# KiCad board SHEGO75-V3.kicad_pcb (continued)
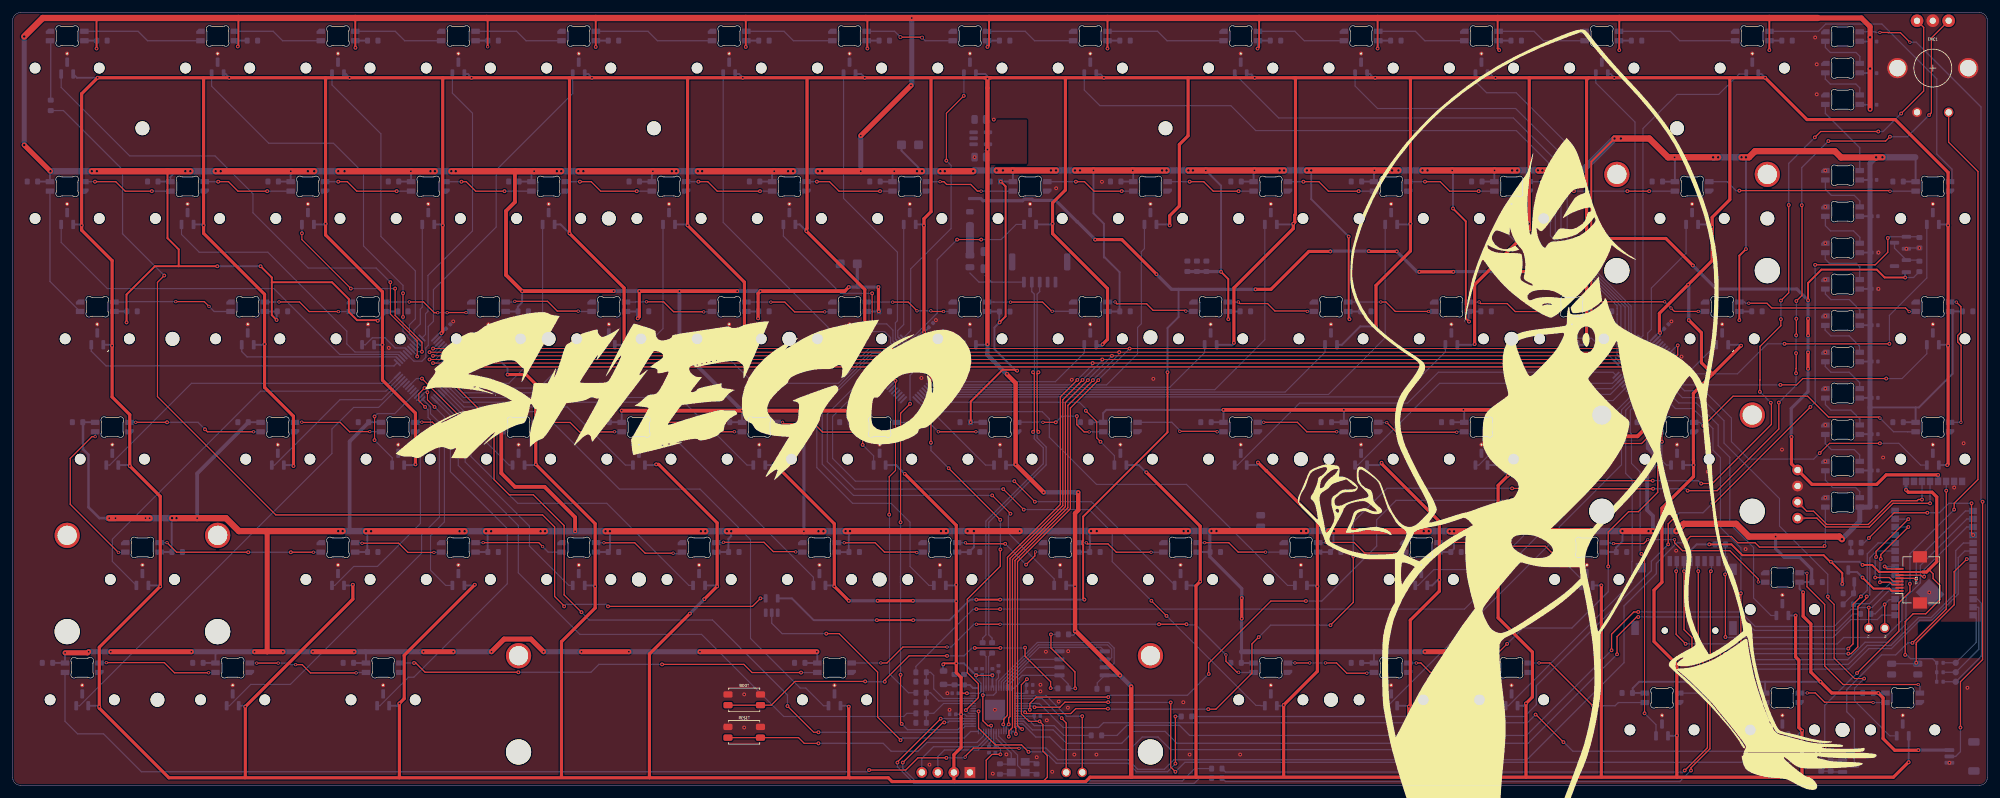
[diagram p0: board, top side]
## Routing (per net, layer and track width the routed paths; a pad name or vN(x,y) marks a point on that pad's centre or on a via; arc(x,y) is an arc through that point) (continued)
Net-(AMB4-DOUT): length 8.2
  Bottom w0.2: 292.33,62.8 292.33,63.75 290.67,65.41 287.78,65.41 286.88,66.31 286.88,67.06
Net-(AMB5-DOUT): length 8.2
  Bottom w0.2: 286.86,72.83 286.86,72.08 287.78,71.16 290.67,71.16 292.31,69.52 292.31,68.58
Net-(AMB6-DOUT): length 8.2
  Bottom w0.2: 286.91,78.56 286.91,77.78 287.78,76.91 290.7,76.91 292.36,75.25 292.36,74.3
Net-(AMB7-DOUT): length 9
  Bottom w0.2: 286.88,84.38 286.88,83.31 287.53,82.66 291.78,82.66 292.33,82.11 292.33,80.13
Net-(AMB8-DOUT): length 8.6
  Bottom w0.2: 286.91,90.08 286.91,88.6 287.72,87.78 291.34,87.78 292.36,86.77 292.36,85.83
Net-(AMB10-DIN): length 8.6
  Bottom w0.2: 292.36,91.58 292.36,92.52 291.47,93.41 287.85,93.41 286.91,94.35 286.91,95.83
Net-(D1-A): length 1.5
  Bottom w0.2: R16.2 290.93,36.94
Net-(GLO1-DOUT): length 8.1
  Bottom w0.2: GLO2.3 286.89,111.82 287.68,111.03 291.73,111.03 292.34,110.42 GLO1.2
Net-(GLO2-DOUT): length 8.1
  Bottom w0.2: 292.36,114.3 292.36,115.41 291.74,116.02 287.69,116.02 286.91,116.81 286.91,117.8
Net-(LED1-DOUT): length 19
  Bottom w0.2: LED1.2 19.85,119.39 21.35,117.89 LED2.3
Net-(LED2-DOUT): length 14.2
  Bottom w0.2: LED3.3 42.73,117.89 41.23,119.39 LED2.2
Net-(LED3-DOUT): length 14.2
  Bottom w0.2: LED4.3 62.05,117.89 60.55,119.39 LED3.2
Net-(LED4-DOUT): length 14.2
  Bottom w0.2: LED4.2 79.75,119.39 81.25,117.89 LED5.3
Net-(LED5-DOUT): length 19
  Bottom w0.2: LED5.2 100.55,119.39 102.05,117.89 LED6.3
Net-(LED6-DOUT): length 14.2
  Bottom w0.2: LED7.3 123.58,117.89 122.08,119.39 LED6.2
Net-(LED7-DOUT): length 14.2
  Top w0.2: v2(143.93,118.38) 143.86,118.46 v2(140.51,118.46)
  Bottom w0.2: LED7.2 139.58,119.39 v2(140.51,118.46) ; v2(143.93,118.38) 144.43,117.89 LED8.3
Net-(LED8-DOUT): length 14.2
  Bottom w0.2: LED9.3 161.75,117.89 160.25,119.39 LED8.2
Net-(LED10-DIN): length 19
  Bottom w0.2: LED10.3 182.7,117.89 181.2,119.39 LED9.2
Net-(LED10-DOUT): length 14.2
  Bottom w0.2: LED11.3 204.43,117.89 202.93,119.39 LED10.2
Net-(LED11-DOUT): length 14.2
  Bottom w0.2: LED12.3 223.5,117.89 222,119.39 LED11.2
Net-(LED12-DOUT): length 14.2
  Bottom w0.2: LED12.2 240.78,119.39 242.28,117.89 LED13.3
Net-(LED13-DOUT): length 19
  Bottom w0.2: LED14.3 263.85,117.89 262.35,119.39 LED13.2
Net-(LED14-DOUT): length 47.8
  Bottom w0.2: 306.93,95.57 306.93,97.56 304.53,99.96 304.53,111.84 295.85,120.53 286.96,120.53 285.81,119.39 278.06,119.39
Net-(LED15-DIN): length 14.2
  Top w0.2: v1(22.03,94.07) 17.81,94.07 16.31,95.57 v1(13.03,95.57)
  Bottom w0.2: LED16.2 v1(22.03,94.07) ; v1(13.03,95.57) LED15.3
Net-(LED15-DOUT): length 21
  Bottom w0.2: LED30.3 5.91,79.79 LED15.2
Net-(LED16-DIN): length 14.2
  Top w0.2: v1(40.28,94.07) 35.66,94.07 34.16,95.57 v1(32.53,95.57)
  Bottom w0.2: v1(32.53,95.57) LED16.3 ; LED17.2 v1(40.28,94.07)
Net-(LED17-DIN): length 14.2
  Top w0.2: v1(51.53,95.57) 52.96,95.57 54.46,94.07 v1(60.78,94.07)
  Bottom w0.2: LED18.2 v1(60.78,94.07) ; v1(51.53,95.57) LED17.3
Net-(LED18-DIN): length 14.2
  Top w0.2: v1(71.03,95.57) 71.79,95.57 73.29,94.07 v1(77.85,94.07)
  Bottom w0.2: v1(71.03,95.57) LED18.3 ; LED19.2 v1(77.85,94.07)
Net-(LED19-DIN): length 14.2
  Top w0.2: v1(89.78,95.57) 91.56,95.57 93.06,94.07 v1(98.78,94.07)
  Bottom w0.2: LED20.2 v1(98.78,94.07) ; v1(89.78,95.57) LED19.3
Net-(LED20-DIN): length 14.2
  Top w0.2: v1(118.28,94.07) 111.51,94.07 110.01,95.57 v1(108.53,95.57)
  Bottom w0.2: LED21.2 v1(118.28,94.07) ; v1(108.53,95.57) LED20.3
Net-(LED21-DIN): length 14.2
  Top w0.2: v1(137.28,94.07) 130.79,94.07 129.29,95.57 v1(127.28,95.57)
  Bottom w0.2: LED22.2 v1(137.28,94.07) ; v1(127.28,95.57) LED21.3
Net-(LED22-DIN): length 14.2
  Top w0.2: v3(146.78,95.57) 147.39,95.57 147.82,95.14 151.63,95.14 152.69,94.08 v3(153.28,94.08)
  Bottom w0.2: v3(146.78,95.57) 144.71,95.57 ; LED23.2 153.56,94.07 153.56,94.08 v3(153.28,94.08)
Net-(LED23-DIN): length 14.2
  Top w0.2: v1(168.28,95.57) 169.64,95.57 171.14,94.07 v1(175.53,94.07)
  Bottom w0.2: v1(168.28,95.57) LED23.3 ; 177.36,94.07 v1(175.53,94.07)
Net-(LED24-DIN): length 14.2
  Top w0.2: v1(194.03,94.07) 190.01,94.07 188.51,95.57 v1(186.28,95.57)
  Bottom w0.2: LED25.2 v1(194.03,94.07) ; v1(186.28,95.57) LED24.3
Net-(LED25-DIN): length 14.2
  Top w0.2: v1(213.03,94.07) 208.24,94.07 206.74,95.57 v1(204.28,95.57)
  Bottom w0.2: v1(204.28,95.57) LED25.3 ; LED26.2 v1(213.03,94.07)
Net-(LED26-DIN): length 14.2
  Top w0.2: v1(223.53,95.57) 225.94,95.57 227.44,94.07 v1(232.03,94.07)
  Bottom w0.2: 234.51,94.07 v1(232.03,94.07) ; v1(223.53,95.57) LED26.3
Net-(LED27-DIN): length 23.7
  Top w0.2: v1(242.03,95.57) 243.76,95.57 245.26,94.07 v1(247.11,94.07) ; v1(259.01,94.07) v1(255.56,94.07)
  Bottom w0.2: LED28.2 v1(259.01,94.07) ; v1(242.03,95.57) LED27.3 ; v1(255.56,94.07) v1(247.11,94.07)
Net-(LED28-DIN): length 33.3
  Top w0.2: v3(297.13,94.06) 297.03,94.16 v1(273.28,94.16)
  Bottom w0.2: v3(297.13,94.06) 297.15,94.07 LED29.2 ; v1(273.28,94.16) 272.76,94.16 271.34,95.57 LED28.3
Net-(LED30-DOUT): length 19
  Top w0.2: v3(31.08,75.83) 30.33,76.58 v3(25.82,76.58)
  Bottom w0.2: v3(25.82,76.58) 17.96,76.58 17.9,76.52 LED30.2 ; v3(31.08,75.83) 31.89,75.02 LED31.3
Net-(LED31-DOUT): length 14.2
  Top w0.2: v3(42.16,76.53) 45.41,76.53 46.93,75.01 v3(51.56,75.01)
  Bottom w0.2: v3(51.56,75.01) 53.51,75.01 ; LED31.2 41.22,76.52 41.23,76.53 v3(42.16,76.53)
Net-(LED32-DOUT): length 14.2
  Top w0.2: v3(62.78,76.53) 65.03,76.53 66.73,74.83 v3(67.28,74.83) ; v3(71.76,74.86) 68.79,74.86 v3(68.77,74.83)
  Bottom w0.2: v3(71.76,74.86) 72.41,74.86 ; v3(62.78,76.53) 60.78,76.53 60.77,76.52 LED32.2 ; v3(67.28,74.83) v3(68.77,74.83)
Net-(LED33-DOUT): length 14.3
  Top w0.2: v3(79.48,76.63) 84.66,76.63 86.21,75.08 v3(89.51,75.08)
  Bottom w0.2: v3(79.48,76.63) 79.37,76.52 LED33.2 ; LED34.3 89.56,75.02 v3(89.51,75.08)
Net-(LED34-DOUT): length 14.2
  Top w0.2: v3(100.33,76.56) 103.03,76.56 104.61,74.98 109.36,74.98 v3(109.38,74.96)
  Bottom w0.2: v3(100.33,76.56) 98.63,76.56 98.6,76.52 LED34.2 ; v3(109.38,74.96) 110.61,74.96
Net-(LED35-DOUT): length 14.2
  Top w0.2: v3(120.01,76.51) 122.21,76.51 123.76,74.96 v3(128.53,74.96)
  Bottom w0.2: LED35.2 117.94,76.52 117.96,76.51 v3(120.01,76.51) ; v3(128.53,74.96) 129.66,74.96
Net-(LED36-DOUT): length 14.2
  Top w0.2: v3(147.33,75.02) 145.44,75.02 v3(145.33,75.13) ; v3(139.28,76.51) 141.76,76.51 v3(143.13,75.13)
  Bottom w0.2: v3(145.33,75.13) v3(143.13,75.13) ; LED36.2 139.26,76.52 v3(139.28,76.51) ; v3(147.33,75.02) LED37.3
Net-(LED37-DOUT): length 14.2
  Top w0.2: v3(157.93,76.51) 163.01,76.51 164.46,75.06 v3(164.53,75.06)
  Bottom w0.2: LED37.2 155.27,76.52 155.29,76.51 v3(157.93,76.51) ; v3(164.53,75.06) 167.8,75.06
Net-(LED38-DOUT): length 14.1
  Top w0.2: v3(185.68,75.08) 185.56,75.21 180.51,75.21 179.48,76.23 174.78,76.23 v3(174.48,76.53)
  Bottom w0.2: v3(185.68,75.08) 186.82,75.08 ; v3(174.48,76.53) 174.47,76.52 LED38.2
Net-(LED39-DOUT): length 14.2
  Top w0.2: v3(204.91,75.03) 204.83,75.11 199.78,75.11 198.61,76.28 194.24,76.28 v3(193.99,76.53)
  Bottom w0.2: v3(204.91,75.03) 205.92,75.03 ; LED39.2 193.98,76.52 v3(193.99,76.53)
Net-(LED40-DOUT): length 14.2
  Top w0.2: v3(224.11,75.03) 218.83,75.03 217.34,76.52 v3(216.53,76.52)
  Bottom w0.2: v3(216.53,76.52) LED40.2 ; v3(224.11,75.03) 224.97,75.03
Net-(LED41-DOUT): length 14.2
  Top w0.2: v3(232.09,76.53) 232.34,76.28 236.53,76.28 237.81,75.01 v3(243.03,75.01)
  Bottom w0.2: v3(243.03,75.01) 244.01,75.01 ; v3(232.09,76.53) 232.08,76.52 LED41.2
Net-(LED42-DOUT): length 19
  Top w0.2: v3(261.46,76.55) 261.46,76.56 v3(250.56,76.56) ; v3(266.78,75.03) 263.01,75.03 v3(262.47,75.57)
  Bottom w0.2: v3(262.47,75.57) 261.49,76.55 v3(261.46,76.55) ; LED42.2 250.52,76.52 v3(250.56,76.56) ; v3(266.78,75.03) 267.84,75.03
Net-(LED43-DOUT): length 28.5
  Top w0.2: v3(300.16,75.01) 299.58,75.58 278.41,75.58 277.66,76.33 v3(274.78,76.33)
  Bottom w0.2: v3(274.78,76.33) 274.28,76.33 274.09,76.52 LED43.2 ; v3(300.16,75.01) 301.16,75.01
Net-(LED44-DOUT): length 22.5
  Top w0.2: v3(308.36,57.48) 308.38,57.51 308.38,69.66 307.84,70.2 307.84,71.21 308.36,71.73 308.36,75.78 v3(307.63,76.51)
  Bottom w0.2: v3(308.36,57.48) 306.64,57.48 ; LED44.2 307.61,76.52 v3(307.63,76.51)
Net-(LED45-DIN): length 21.4
  Top w0.2: v1(30.44,56.37) 30.83,55.98 v3(38.13,55.98) ; v1(24.44,57.48) v3(19.48,57.48)
  Bottom w0.2: LED46.2 38.14,55.97 v3(38.13,55.98) ; v3(19.48,57.48) 18.51,57.48 ; v1(24.44,57.48) 29.33,57.48 v1(30.44,56.37)
Net-(LED45-DOUT): length 25.2
  Top w0.2: v3(13.06,55.21) 12.56,55.21 9.12,51.77 9.12,44.49 v3(16.73,36.88)
  Bottom w0.2: LED45.2 13.05,55.21 v3(13.06,55.21) ; v3(16.73,36.88) 17.77,36.88
Net-(LED46-DIN): length 14.2
  Top w0.2: v3(45.76,57.51) 45.81,57.46 51.86,57.46 53.33,55.98 53.36,56.01 v3(56.53,56.01)
  Bottom w0.2: v3(45.76,57.51) 44.73,57.51 ; v3(56.53,56.01) 57.31,56.01 57.34,55.97 LED47.2
Net-(LED47-DIN): length 15.1
  Top w0.2: v3(75.65,55.77) 74.14,55.77 73.28,54.91 69.03,54.91 66.43,57.51 v3(64.76,57.51)
  Bottom w0.2: v3(64.76,57.51) 63.78,57.51 ; v3(75.65,55.77) 76.02,55.77 76.22,55.97 LED48.2
Net-(LED48-DIN): length 14.2
  Top w0.2: v3(95.26,55.98) 95.23,55.96 89.73,55.96 88.23,57.46 v3(83.76,57.46)
  Bottom w0.2: v3(95.26,55.98) 95.26,55.97 LED49.2 ; v3(83.76,57.46) 82.81,57.46
Net-(LED49-DIN): length 14.2
  Top w0.2: v3(114.23,55.98) 109.48,55.98 107.98,57.48 v3(102.81,57.48)
  Bottom w0.2: v3(102.81,57.48) 101.85,57.48 ; LED50.2 114.24,55.97 v3(114.23,55.98)
Net-(LED50-DIN): length 14.3
  Top w0.2: v3(121.86,57.48) 122.08,57.26 126.86,57.26 128.18,55.93 v3(133.36,55.93)
  Bottom w0.2: v3(121.86,57.48) 120.9,57.48 ; v3(133.36,55.93) 133.4,55.97 LED51.2
Net-(LED51-DIN): length 14.2
  Top w0.2: v3(146.5,55.98) v3(152.46,55.98)
  Bottom w0.2: v3(146.5,55.98) 145.03,57.46 139.96,57.46 ; LED52.2 152.46,55.97 v3(152.46,55.98)
Net-(LED52-DIN): length 15.8
  Top w0.2: v3(163.06,57.48) v1(165.1,57.48) ; v1(168.43,58.46) 168.43,57.11 169.58,55.96 v3(170.38,55.96)
  Bottom w0.2: v3(170.38,55.96) 170.43,56.01 170.88,56.01 170.91,55.97 LED53.2 ; 159.03,57.51 162.91,57.51 162.94,57.48 v3(163.06,57.48) ; v1(168.43,58.46) 166.07,58.46 v1(165.1,57.48)
Net-(LED53-DIN): length 14.3
  Top w0.2: v3(190.63,55.98) 190.56,56.06 v3(184.73,56.06)
  Bottom w0.2: 178.05,57.48 183.46,57.48 184.73,56.21 v3(184.73,56.06) ; LED54.2 190.64,55.97 v3(190.63,55.98)
Net-(LED54-DIN): length 14.2
  Top w0.2: v3(198.01,57.48) 203.33,57.48 204.83,55.98 v3(209.56,55.98)
  Bottom w0.2: LED55.2 209.56,55.97 v3(209.56,55.98) ; v3(198.01,57.48) 197.1,57.48
Net-(LED55-DIN): length 14.2
  Top w0.2: v3(228.56,55.91) 219.01,55.91 v3(217.48,57.43)
  Bottom w0.2: v3(228.56,55.91) 228.62,55.97 LED56.2 ; v3(217.48,57.43) 216.19,57.43
Net-(LED56-DIN): length 27.6
  Top w0.2: v3(236.15,57.46) 236.6,57.01 246.08,57.01 248.97,54.12 257.82,54.12 v3(259.68,55.98)
  Bottom w0.2: LED57.2 259.69,55.97 v3(259.68,55.98) ; v3(236.15,57.46) 235.21,57.46
Net-(LED57-DIN): length 39.5
  Top w0.2: v1(267.59,56.91) 272.28,61.61 284.1,61.61 287.4,58.31 295.38,58.31 v3(295.53,58.16)
  Bottom w0.2: LED57.3 267.03,57.47 v1(267.59,56.91) ; LED58.2 299.94,55.97 299.93,55.98 297.71,55.98 v3(295.53,58.16)
Net-(LED59-DOUT): length 26.1
  Top w0.2: v3(24.43,38.43) 25.96,36.91 v1(37.28,36.91) ; v1(44.03,36.91) v3(47.61,36.91)
  Bottom w0.2: LED59.2 24.42,38.42 v3(24.43,38.43) ; v3(47.61,36.91) 48.75,36.91 ; v1(37.28,36.91) v1(44.03,36.91)
Net-(LED60-DOUT): length 14.2
  Top w0.2: v3(66.68,36.88) 62.56,36.88 61.11,38.33 v3(55.31,38.33)
  Bottom w0.2: v3(66.68,36.88) 67.78,36.88 ; v3(55.31,38.33) 55.21,38.42 LED60.2
Net-(LED61-DOUT): length 14.2
  Top w0.2: v3(83.88,37.8) 83.26,38.43 v3(74.46,38.43)
  Bottom w0.2: LED61.2 74.45,38.42 v3(74.46,38.43) ; 86.86,36.93 84.76,36.93 v3(83.88,37.8)
Net-(LED62-DOUT): length 14.1
  Top w0.2: v3(104.53,36.76) 100.11,36.76 98.46,38.41 v3(93.58,38.41)
  Bottom w0.2: LED62.2 93.56,38.42 v3(93.58,38.41) ; 105.68,36.68 104.61,36.68 v3(104.53,36.76)
Net-(LED63-DOUT): length 14.2
  Top w0.2: v3(112.51,38.48) 118.92,38.48 120.39,37.01 123.88,37.01 v3(123.93,36.96)
  Bottom w0.2: v3(123.93,36.96) 124.94,36.96 ; v3(112.51,38.48) 112.45,38.42 LED63.2
Net-(LED64-DOUT): length 14.2
  Top w0.2: v3(131.61,38.41) 136.51,38.41 137.98,36.93 143.03,36.93 v3(143.11,36.86)
  Bottom w0.2: v3(143.11,36.86) 143.95,36.86 ; LED64.2 131.59,38.42 v3(131.61,38.41)
Net-(LED65-DOUT): length 16.2
  Top w0.2: v3(161.88,36.96) 161.78,36.86 161.78,36.33 v1(160.4,34.94) ; v3(150.81,38.41) 150.97,38.24 v1(157.1,38.24)
  Bottom w0.2: v3(150.81,38.41) 150.79,38.42 LED65.2 ; v3(161.88,36.96) 163.04,36.96 ; v1(160.4,34.94) v1(157.1,38.24)
Net-(LED66-DOUT): length 14.2
  Top w0.2: v3(180.18,36.91) 174.68,36.91 173.36,38.23 170.11,38.23 v3(169.93,38.41)
  Bottom w0.2: v3(180.18,36.91) 182.1,36.91 ; LED66.2 169.54,38.42 169.56,38.41 v3(169.93,38.41)
Net-(LED67-DOUT): length 14.2
  Top w0.2: v3(198.28,36.93) 193.97,36.93 192.48,38.42 v3(188.66,38.42)
  Bottom w0.2: v3(188.66,38.42) LED67.2 ; v3(198.28,36.93) 201.16,36.93
Net-(LED68-DOUT): length 14.1
  Top w0.2: v3(207.86,38.46) 212.31,38.46 213.98,36.78 219.31,36.78 v3(219.36,36.73)
  Bottom w0.2: v3(207.86,38.46) 207.82,38.42 LED68.2 ; v3(219.36,36.73) 220.03,36.73
Net-(LED69-DOUT): length 21.4
  Top w0.2: v3(245.43,36.88) 243.56,36.88 242.58,37.86 v3(235.81,37.86) ; v3(232.03,38.46) v3(227.26,38.46)
  Bottom w0.2: LED69.2 227.22,38.42 v3(227.26,38.46) ; v3(245.43,36.88) 246.37,36.88 ; v3(232.03,38.46) 232.61,37.88 235.78,37.88 v3(235.81,37.86)
Net-(LED70-DOUT): length 29.1
  Top w0.2: v3(276.28,32.21) 276.28,32.66 271.78,37.16 264.28,37.16 263.03,38.41 v3(263.03,38.91) ; v3(253.36,38.28) 258.16,38.28 v3(258.78,38.91)
  Bottom w0.2: v3(253.36,38.28) 252.96,38.28 252.81,38.42 LED70.2 ; v3(258.78,38.91) v3(263.03,38.91) ; v3(276.28,32.21) 277.32,32.21
Net-(LED71-DOUT): length 34.5
  Top w0.2: v3(301.59,15.97) 289.72,15.97 286.8,18.89 286.8,28.64 283.98,31.46 v3(283.98,33.58)
  Bottom w0.2: v3(283.98,33.58) 283.9,33.66 LED71.2 ; v3(301.59,15.97) 301.88,15.69 301.88,14.62
Net-(LED72-DIN): length 19
  Top w0.2: v3(14.83,19.43) 24.01,19.43 25.61,17.83 v3(31.01,17.83)
  Bottom w0.2: v3(31.01,17.83) 31.05,17.87 LED73.2 ; v3(14.83,19.43) 13.8,19.43
Net-(LED73-DIN): length 19
  Top w0.2: v3(42.03,19.36) v3(38.63,19.36) ; v3(44.78,19.12) 45.82,19.12 47.13,17.81 v3(54.36,17.81)
  Bottom w0.2: LED74.2 54.42,17.87 v3(54.36,17.81) ; v3(44.78,19.12) 43.68,19.12 43.44,19.36 v3(42.03,19.36) ; v3(38.63,19.36) 37.57,19.36
Net-(LED74-DIN): length 67.6
  Top w0.2: v1(63.53,19.37) 63.81,19.37 65.28,17.91 v1(80.03,17.91) ; v1(102.78,19.16) 115.73,19.16 117.03,17.86 v1(124.78,17.86)
  Bottom w0.2: v1(63.53,19.37) LED74.3 ; v1(80.03,17.91) 91.53,17.91 92.78,19.16 v1(102.78,19.16) ; 127.33,17.86 v1(124.78,17.86)
Net-(LED75-DIN): length 69.9
  Top w0.2: v3(194.03,17.91) 193.78,17.91 192.03,19.66 v3(192.03,20.66) ; v3(147.88,21.91) 140.91,21.91 138.38,19.38 v3(137.41,19.38) ; v3(156.28,25.51) v3(152.53,25.51) ; v1(185.78,25.51) v1(181.44,25.51)
  Bottom w0.2: v3(147.88,21.91) 148.53,21.91 152.13,25.51 v3(152.53,25.51) ; v3(137.41,19.38) 132.81,19.38 ; LED76.2 194.06,17.87 v3(194.03,17.91) ; v1(181.44,25.51) v3(156.28,25.51) ; v1(185.78,25.51) 185.88,25.41 187.28,25.41 v3(192.03,20.66)
Net-(LED76-DIN): length 14.3
  Top w0.2: v3(214.33,17.76) 211.16,17.76 209.53,19.38 v3(207.78,19.38) ; v3(205.28,19.38) v3(202.96,19.38)
  Bottom w0.2: v3(207.78,19.38) v3(205.28,19.38) ; v3(214.33,17.76) 214.45,17.87 LED77.2 ; v3(202.96,19.38) 201.86,19.38
Net-(LED77-DIN): length 14.2
  Top w0.2: v3(222.16,19.37) 222.89,19.37 224.38,17.88 v3(225.53,17.88)
  Bottom w0.2: 234.51,17.87 233.29,17.87 233.28,17.88 v3(225.53,17.88) ; v3(222.16,19.37) LED77.3
Net-(LED78-DIN): length 21.4
  Top w0.2: v3(241.58,19.38) 243.31,19.38 v3(250.08,12.61)
  Bottom w0.2: v3(241.58,19.38) 239.96,19.38 ; v3(250.08,12.61) 253.63,12.61 254.14,13.11 LED79.2
Net-(LED79-DIN): length 14.2
  Top w0.2: v3(271.53,13.08) v3(274.53,13.08)
  Bottom w0.2: LED80.2 275.94,13.11 275.91,13.08 v3(274.53,13.08) ; LED79.3 270,14.61 v3(271.53,13.08)
Net-(LED80-DIN): length 14.2
  Top w0.2: v3(284.03,14.63) 285.31,14.63 286.78,13.16 294.41,13.16 v3(294.45,13.11)
  Bottom w0.2: v3(294.45,13.11) LED81.2 ; v3(284.03,14.63) 282.84,14.63
Net-(U5-IO5): length 25.2
  Top w0.2: v1(310.03,44.66) 310.03,39.89 v1(310.28,39.64) ; v1(293.78,39.16) 297.78,43.16 v1(303.03,43.16)
  Bottom w0.2: v1(293.78,39.16) 293.03,38.41 R16.1 ; v1(303.03,43.16) 304.93,43.16 306.43,44.66 v1(310.03,44.66)
Net-(U5-IO36): length 11.1
  Bottom w0.2: R17.1 TP1.1 310.78,22.66 310.78,26.44 U5.36
Net-(U5-IO37): length 14.6
  Bottom w0.2: U5.35 311.08,28.21 311.18,28.1 311.18,21.56 TP2.1 R18.1
Net-(U5-IO38): length 17.7
  Bottom w0.2: U5.34 310.96,29.48 311.58,28.85 311.58,20.46 TP3.1 R19.1

## Copper pours and planes (outline as drawn; the poured copper is in the pictures)
+3V3 on Top, Bottom: 154.28,105.41 160.53,105.41 160.53,98.41 154.28,98.41
+5V on Bottom: 152.65,107.94 148.11,107.94 148.11,90.2 152.9,90.2 152.9,101.36 151.63,101.36 151.63,103.65 152.65,103.65
+5V_LED on Bottom: 298.28,83.66 294.03,87.91 294.03,76.41 298.28,80.66
GND on Top, Bottom: -3.78,126.06 -3.78,-2.34 322.58,-2.34 322.58,123.57
VBUS on Bottom: 147.36,82.56 160.27,82.56 160.27,77.38 147.36,77.39

Small or netless copper shapes (teardrops, artwork), in the pictures only: 7 on Top, 5 on Bottom

## Text on the board
B.Silkscreen: X | SWDIO | SWCLK | 3.3V | GND | RX | TX | D- | +5V | D+ | BOOT | EN | VBUS | UP | SELECT | DOWN | AMBIENT 82-91 | STATUS 92-94 | SHEGO_V3
F.Mask: III
F.Silkscreen: BOOT | RESET
